# KiCad board led_mapper_850.kicad_pcb (continued)
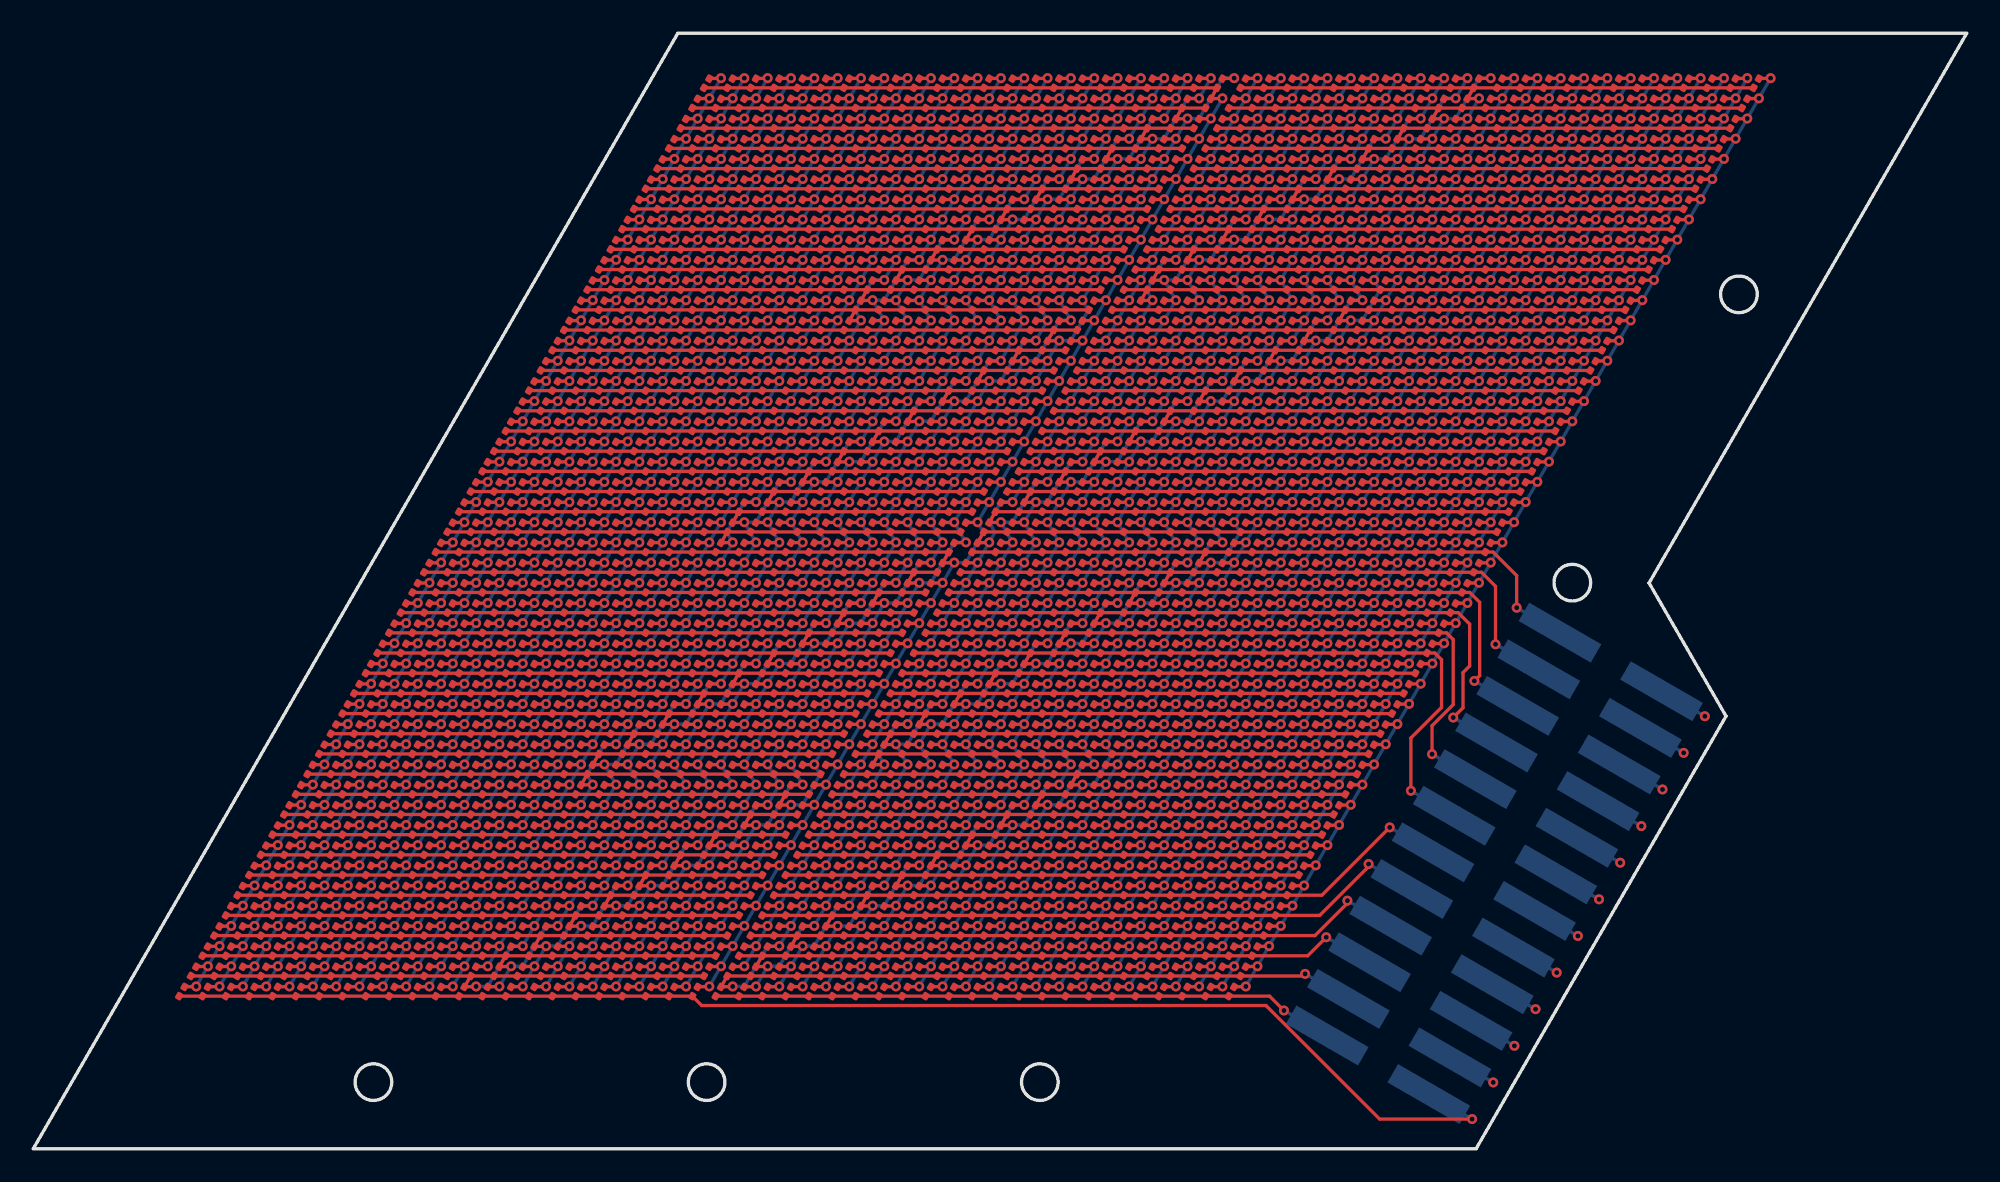
[diagram p0: board, top side]
## Placement (name value [footprint] x y rotation side) (continued)
D1958  LED  [LED_0201_0603Metric_XINGLIGHT]  74.71 19.14 60 top
D1959  LED  [LED_0201_0603Metric_XINGLIGHT]  73.31 19.14 60 top
D1960  LED  [LED_0201_0603Metric_XINGLIGHT]  71.91 19.14 60 top
D1961  LED  [LED_0201_0603Metric_XINGLIGHT]  70.51 19.14 60 top
D1962  LED  [LED_0201_0603Metric_XINGLIGHT]  69.11 19.14 60 top
D1963  LED  [LED_0201_0603Metric_XINGLIGHT]  67.71 19.14 60 top
D1964  LED  [LED_0201_0603Metric_XINGLIGHT]  66.31 19.14 60 top
D1965  LED  [LED_0201_0603Metric_XINGLIGHT]  64.91 19.14 60 top
D1966  LED  [LED_0201_0603Metric_XINGLIGHT]  63.51 19.14 60 top
D1967  LED  [LED_0201_0603Metric_XINGLIGHT]  62.11 19.14 60 top
D1968  LED  [LED_0201_0603Metric_XINGLIGHT]  60.71 19.14 60 top
D1969  LED  [LED_0201_0603Metric_XINGLIGHT]  59.31 19.14 60 top
D1970  LED  [LED_0201_0603Metric_XINGLIGHT]  57.91 19.14 60 top
D1971  LED  [LED_0201_0603Metric_XINGLIGHT]  56.51 19.14 60 top
D1972  LED  [LED_0201_0603Metric_XINGLIGHT]  55.11 19.14 60 top
D1973  LED  [LED_0201_0603Metric_XINGLIGHT]  53.71 19.14 60 top
D1974  LED  [LED_0201_0603Metric_XINGLIGHT]  52.31 19.14 60 top
D1975  LED  [LED_0201_0603Metric_XINGLIGHT]  50.91 19.14 60 top
D1976  LED  [LED_0201_0603Metric_XINGLIGHT]  49.51 19.14 60 top
D1977  LED  [LED_0201_0603Metric_XINGLIGHT]  48.11 19.14 60 top
D1978  LED  [LED_0201_0603Metric_XINGLIGHT]  46.71 19.14 60 top
D1979  LED  [LED_0201_0603Metric_XINGLIGHT]  45.31 19.14 60 top
D1980  LED  [LED_0201_0603Metric_XINGLIGHT]  43.91 19.14 60 top
D1981  LED  [LED_0201_0603Metric_XINGLIGHT]  42.51 19.14 60 top
D1982  LED  [LED_0201_0603Metric_XINGLIGHT]  41.11 19.14 60 top
D1983  LED  [LED_0201_0603Metric_XINGLIGHT]  39.71 19.14 60 top
D1984  LED  [LED_0201_0603Metric_XINGLIGHT]  38.31 19.14 60 top
D1985  LED  [LED_0201_0603Metric_XINGLIGHT]  36.91 19.14 60 top
D1986  LED  [LED_0201_0603Metric_XINGLIGHT]  35.51 19.14 60 top
D1987  LED  [LED_0201_0603Metric_XINGLIGHT]  34.11 19.14 60 top
D1988  LED  [LED_0201_0603Metric_XINGLIGHT]  32.71 19.14 60 top
D1989  LED  [LED_0201_0603Metric_XINGLIGHT]  31.31 19.14 60 top
D1990  LED  [LED_0201_0603Metric_XINGLIGHT]  29.91 19.14 60 top
D1991  LED  [LED_0201_0603Metric_XINGLIGHT]  28.51 19.14 60 top
D1992  LED  [LED_0201_0603Metric_XINGLIGHT]  27.11 19.14 60 top
D1993  LED  [LED_0201_0603Metric_XINGLIGHT]  25.71 19.14 60 top
D1994  LED  [LED_0201_0603Metric_XINGLIGHT]  24.31 19.14 60 top
D1995  LED  [LED_0201_0603Metric_XINGLIGHT]  22.91 19.14 60 top
D1996  LED  [LED_0201_0603Metric_XINGLIGHT]  21.51 19.14 60 top
D1997  LED  [LED_0201_0603Metric_XINGLIGHT]  20.11 19.14 60 top
D1998  LED  [LED_0201_0603Metric_XINGLIGHT]  18.71 19.14 60 top
D1999  LED  [LED_0201_0603Metric_XINGLIGHT]  17.31 19.14 60 top
D2000  LED  [LED_0201_0603Metric_XINGLIGHT]  15.91 19.14 60 top
D2001  LED  [LED_0201_0603Metric_XINGLIGHT]  14.51 19.14 60 top
D2002  LED  [LED_0201_0603Metric_XINGLIGHT]  78.21 20.35 60 top
D2003  LED  [LED_0201_0603Metric_XINGLIGHT]  76.81 20.35 60 top
D2004  LED  [LED_0201_0603Metric_XINGLIGHT]  75.41 20.35 60 top
D2005  LED  [LED_0201_0603Metric_XINGLIGHT]  74.01 20.35 60 top
D2006  LED  [LED_0201_0603Metric_XINGLIGHT]  72.61 20.35 60 top
D2007  LED  [LED_0201_0603Metric_XINGLIGHT]  71.21 20.35 60 top
D2008  LED  [LED_0201_0603Metric_XINGLIGHT]  69.81 20.35 60 top
D2009  LED  [LED_0201_0603Metric_XINGLIGHT]  68.41 20.35 60 top
D2010  LED  [LED_0201_0603Metric_XINGLIGHT]  67.01 20.35 60 top
D2011  LED  [LED_0201_0603Metric_XINGLIGHT]  65.61 20.35 60 top
D2012  LED  [LED_0201_0603Metric_XINGLIGHT]  64.21 20.35 60 top
D2013  LED  [LED_0201_0603Metric_XINGLIGHT]  62.81 20.35 60 top
D2014  LED  [LED_0201_0603Metric_XINGLIGHT]  61.41 20.35 60 top
D2015  LED  [LED_0201_0603Metric_XINGLIGHT]  60.01 20.35 60 top
D2016  LED  [LED_0201_0603Metric_XINGLIGHT]  58.61 20.35 60 top
D2017  LED  [LED_0201_0603Metric_XINGLIGHT]  57.21 20.35 60 top
D2018  LED  [LED_0201_0603Metric_XINGLIGHT]  55.81 20.35 60 top
D2019  LED  [LED_0201_0603Metric_XINGLIGHT]  54.41 20.35 60 top
D2020  LED  [LED_0201_0603Metric_XINGLIGHT]  53.01 20.35 60 top
D2021  LED  [LED_0201_0603Metric_XINGLIGHT]  51.61 20.35 60 top
D2022  LED  [LED_0201_0603Metric_XINGLIGHT]  50.21 20.35 60 top
D2023  LED  [LED_0201_0603Metric_XINGLIGHT]  48.81 20.35 60 top
D2024  LED  [LED_0201_0603Metric_XINGLIGHT]  47.41 20.35 60 top
D2025  LED  [LED_0201_0603Metric_XINGLIGHT]  46.01 20.35 60 top
D2026  LED  [LED_0201_0603Metric_XINGLIGHT]  44.61 20.35 60 top
D2027  LED  [LED_0201_0603Metric_XINGLIGHT]  43.21 20.35 60 top
D2028  LED  [LED_0201_0603Metric_XINGLIGHT]  41.81 20.35 60 top
D2029  LED  [LED_0201_0603Metric_XINGLIGHT]  40.41 20.35 60 top
D2030  LED  [LED_0201_0603Metric_XINGLIGHT]  39.01 20.35 60 top
D2031  LED  [LED_0201_0603Metric_XINGLIGHT]  37.61 20.35 60 top
D2032  LED  [LED_0201_0603Metric_XINGLIGHT]  36.21 20.35 60 top
D2033  LED  [LED_0201_0603Metric_XINGLIGHT]  34.81 20.35 60 top
D2034  LED  [LED_0201_0603Metric_XINGLIGHT]  33.41 20.35 60 top
D2035  LED  [LED_0201_0603Metric_XINGLIGHT]  32.01 20.35 60 top
D2036  LED  [LED_0201_0603Metric_XINGLIGHT]  30.61 20.35 60 top
D2037  LED  [LED_0201_0603Metric_XINGLIGHT]  29.21 20.35 60 top
D2038  LED  [LED_0201_0603Metric_XINGLIGHT]  27.81 20.35 60 top
D2039  LED  [LED_0201_0603Metric_XINGLIGHT]  26.41 20.35 60 top
D2040  LED  [LED_0201_0603Metric_XINGLIGHT]  25.01 20.35 60 top
D2041  LED  [LED_0201_0603Metric_XINGLIGHT]  23.61 20.35 60 top
D2042  LED  [LED_0201_0603Metric_XINGLIGHT]  22.21 20.35 60 top
D2043  LED  [LED_0201_0603Metric_XINGLIGHT]  20.81 20.35 60 top
D2044  LED  [LED_0201_0603Metric_XINGLIGHT]  19.41 20.35 60 top
D2045  LED  [LED_0201_0603Metric_XINGLIGHT]  18.01 20.35 60 top
D2046  LED  [LED_0201_0603Metric_XINGLIGHT]  16.61 20.35 60 top
D2047  LED  [LED_0201_0603Metric_XINGLIGHT]  15.21 20.35 60 top
D2048  LED  [LED_0201_0603Metric_XINGLIGHT]  78.91 21.56 60 top
D2049  LED  [LED_0201_0603Metric_XINGLIGHT]  77.51 21.56 60 top
D2050  LED  [LED_0201_0603Metric_XINGLIGHT]  76.11 21.56 60 top
D2051  LED  [LED_0201_0603Metric_XINGLIGHT]  74.71 21.56 60 top
D2052  LED  [LED_0201_0603Metric_XINGLIGHT]  73.31 21.56 60 top
D2053  LED  [LED_0201_0603Metric_XINGLIGHT]  71.91 21.56 60 top
D2054  LED  [LED_0201_0603Metric_XINGLIGHT]  70.51 21.56 60 top
D2055  LED  [LED_0201_0603Metric_XINGLIGHT]  69.11 21.56 60 top
D2056  LED  [LED_0201_0603Metric_XINGLIGHT]  67.71 21.56 60 top
D2057  LED  [LED_0201_0603Metric_XINGLIGHT]  66.31 21.56 60 top
D2058  LED  [LED_0201_0603Metric_XINGLIGHT]  64.91 21.56 60 top
D2059  LED  [LED_0201_0603Metric_XINGLIGHT]  63.51 21.56 60 top
D2060  LED  [LED_0201_0603Metric_XINGLIGHT]  62.11 21.56 60 top
D2061  LED  [LED_0201_0603Metric_XINGLIGHT]  60.71 21.56 60 top
D2062  LED  [LED_0201_0603Metric_XINGLIGHT]  59.31 21.56 60 top
D2063  LED  [LED_0201_0603Metric_XINGLIGHT]  57.91 21.56 60 top
D2064  LED  [LED_0201_0603Metric_XINGLIGHT]  56.51 21.56 60 top
D2065  LED  [LED_0201_0603Metric_XINGLIGHT]  55.11 21.56 60 top
D2066  LED  [LED_0201_0603Metric_XINGLIGHT]  53.71 21.56 60 top
D2067  LED  [LED_0201_0603Metric_XINGLIGHT]  52.31 21.56 60 top
D2068  LED  [LED_0201_0603Metric_XINGLIGHT]  50.91 21.56 60 top
D2069  LED  [LED_0201_0603Metric_XINGLIGHT]  49.51 21.56 60 top
D2070  LED  [LED_0201_0603Metric_XINGLIGHT]  48.11 21.56 60 top
D2071  LED  [LED_0201_0603Metric_XINGLIGHT]  46.71 21.56 60 top
D2072  LED  [LED_0201_0603Metric_XINGLIGHT]  45.31 21.56 60 top
D2073  LED  [LED_0201_0603Metric_XINGLIGHT]  43.91 21.56 60 top
D2074  LED  [LED_0201_0603Metric_XINGLIGHT]  42.51 21.56 60 top
D2075  LED  [LED_0201_0603Metric_XINGLIGHT]  41.11 21.56 60 top
D2076  LED  [LED_0201_0603Metric_XINGLIGHT]  39.71 21.56 60 top
D2077  LED  [LED_0201_0603Metric_XINGLIGHT]  38.31 21.56 60 top
D2078  LED  [LED_0201_0603Metric_XINGLIGHT]  36.91 21.56 60 top
D2079  LED  [LED_0201_0603Metric_XINGLIGHT]  35.51 21.56 60 top
D2080  LED  [LED_0201_0603Metric_XINGLIGHT]  34.11 21.56 60 top
D2081  LED  [LED_0201_0603Metric_XINGLIGHT]  32.71 21.56 60 top
D2082  LED  [LED_0201_0603Metric_XINGLIGHT]  31.31 21.56 60 top
D2083  LED  [LED_0201_0603Metric_XINGLIGHT]  29.91 21.56 60 top
D2084  LED  [LED_0201_0603Metric_XINGLIGHT]  28.51 21.56 60 top
D2085  LED  [LED_0201_0603Metric_XINGLIGHT]  27.11 21.56 60 top
D2086  LED  [LED_0201_0603Metric_XINGLIGHT]  25.71 21.56 60 top
D2087  LED  [LED_0201_0603Metric_XINGLIGHT]  24.31 21.56 60 top
D2088  LED  [LED_0201_0603Metric_XINGLIGHT]  22.91 21.56 60 top
D2089  LED  [LED_0201_0603Metric_XINGLIGHT]  21.51 21.56 60 top
D2090  LED  [LED_0201_0603Metric_XINGLIGHT]  20.11 21.56 60 top
D2091  LED  [LED_0201_0603Metric_XINGLIGHT]  18.71 21.56 60 top
D2092  LED  [LED_0201_0603Metric_XINGLIGHT]  17.31 21.56 60 top
D2093  LED  [LED_0201_0603Metric_XINGLIGHT]  15.91 21.56 60 top
D2094  LED  [LED_0201_0603Metric_XINGLIGHT]  79.61 22.78 60 top
D2095  LED  [LED_0201_0603Metric_XINGLIGHT]  78.21 22.78 60 top
D2096  LED  [LED_0201_0603Metric_XINGLIGHT]  76.81 22.78 60 top
D2097  LED  [LED_0201_0603Metric_XINGLIGHT]  75.41 22.78 60 top
D2098  LED  [LED_0201_0603Metric_XINGLIGHT]  74.01 22.78 60 top
D2099  LED  [LED_0201_0603Metric_XINGLIGHT]  72.61 22.78 60 top
D2100  LED  [LED_0201_0603Metric_XINGLIGHT]  71.21 22.78 60 top
D2101  LED  [LED_0201_0603Metric_XINGLIGHT]  69.81 22.78 60 top
D2102  LED  [LED_0201_0603Metric_XINGLIGHT]  68.41 22.78 60 top
D2103  LED  [LED_0201_0603Metric_XINGLIGHT]  67.01 22.78 60 top
D2104  LED  [LED_0201_0603Metric_XINGLIGHT]  65.61 22.78 60 top
D2105  LED  [LED_0201_0603Metric_XINGLIGHT]  64.21 22.78 60 top
D2106  LED  [LED_0201_0603Metric_XINGLIGHT]  62.81 22.78 60 top
D2107  LED  [LED_0201_0603Metric_XINGLIGHT]  61.41 22.78 60 top
D2108  LED  [LED_0201_0603Metric_XINGLIGHT]  60.01 22.78 60 top
D2109  LED  [LED_0201_0603Metric_XINGLIGHT]  58.61 22.78 60 top
D2110  LED  [LED_0201_0603Metric_XINGLIGHT]  57.21 22.78 60 top
D2111  LED  [LED_0201_0603Metric_XINGLIGHT]  55.81 22.78 60 top
D2112  LED  [LED_0201_0603Metric_XINGLIGHT]  54.41 22.78 60 top
D2113  LED  [LED_0201_0603Metric_XINGLIGHT]  53.01 22.78 60 top
D2114  LED  [LED_0201_0603Metric_XINGLIGHT]  51.61 22.78 60 top
D2115  LED  [LED_0201_0603Metric_XINGLIGHT]  50.21 22.78 60 top
D2116  LED  [LED_0201_0603Metric_XINGLIGHT]  48.81 22.78 60 top
J1  Conn_02x12_Top_Bottom  [PinSocket_2x12_P2.54mm_Vertical_SMD_custom]  87.7 17.14 330 bottom

## Library data of the parts
D1-D2116 = -: Description: Light emitting diode, rotated by 45°; LCSC Part #: C3646923; ki_fp_filters: LED* LED_SMD:* LED_THT:*
J1 = -: Description: Generic connector, double row, 02x12, top/bottom pin numbering scheme (row 1: 1...pins_per_row, row2: pins_per_row+1 ... num_pins), script generated (kicad-library-utils/schlib/autogen/connector/); LCSC Part #: C19268781; ki_fp_filters: Connector*:*_2x??_*

## Footprints (pads in the part's own frame, mm; a bottom-side part is the same pattern mirrored in y, then rotated)
LED_0201_0603Metric_XINGLIGHT
  rrect 0.318x0.36 smd: (-0.28,0) (0.28,0)
  rrect 0.46x0.4 smd: 1(-0.32,0) 2(0.32,0)
PinSocket_2x12_P2.54mm_Vertical_SMD_custom
  rect 5x1.27 smd: 1(-3.52,13.97) 2(-3.52,11.43) 3(-3.52,8.89) 4(-3.52,6.35) 5(-3.52,3.81) 6(-3.52,1.27) 7(-3.52,-1.27) 8(-3.52,-3.81) 9(-3.52,-6.35) 10(-3.52,-8.89) 11(-3.52,-11.43) 12(-3.52,-13.97) 13(3.52,13.97) 14(3.52,11.43) 15(3.52,8.89) 16(3.52,6.35) 17(3.52,3.81) 18(3.52,1.27) 19(3.52,-1.27) 20(3.52,-3.81) 21(3.52,-6.35) 22(3.52,-8.89) 23(3.52,-11.43) 24(3.52,-13.97)

## Nets
/P1: D1.2 D24.2 D47.2 D70.2 D93.2 D116.2 D139.2 D162.2 D185.2 D208.2 D231.2 D254.2 D277.2 D300.2 D323.2 D346.2 D369.2 D392.2 D415.2 D438.2 D461.2 D484.2 D507.2 D530.1 D531.1 D532.1 D533.1 D534.1 D535.1 D536.1 D537.1 D538.1 D539.1 D540.1 D541.1 D542.1 D543.1 D544.1 D545.1 D546.1 D547.1 D548.1 D549.1 D550.1 D551.1 D552.1 D575.2 D598.2 D621.2 D644.2 D667.2 D690.2 D713.2 D736.2 D759.2 D782.2 D805.2 D828.2 D851.2 D874.2 D897.2 D920.2 D943.2 D966.2 D989.2 D1012.2 D1035.2 D1058.2 D1059.2 D1082.2 D1105.2 D1128.2 D1151.2 D1174.2 D1197.2 D1220.2 D1243.2 D1266.2 D1289.2 D1312.2 D1335.2 D1358.2 D1381.2 D1404.2 D1427.2 D1450.2 D1473.2 D1496.2 D1519.2 D1542.2 D1565.2 D1588.1 D1589.1 D1590.1 D1591.1 D1592.1 D1593.1 D1594.1 D1595.1 D1596.1 D1597.1 D1598.1 D1599.1 D1600.1 D1601.1 D1602.1 D1603.1 D1604.1 D1605.1 D1606.1 D1607.1 D1608.1 D1609.1 D1610.1 D1633.2 D1656.2 D1679.2 D1702.2 D1725.2 D1748.2 D1771.2 D1794.2 D1817.2 D1840.2 D1863.2 D1886.2 D1909.2 D1932.2 D1955.2 D1978.2 D2001.2 D2024.2 D2047.2 D2070.2 D2093.2 D2116.2 J1.1
/P2: D2.2 D25.2 D48.2 D71.2 D94.2 D117.2 D140.2 D163.2 D186.2 D209.2 D232.2 D255.2 D278.2 D301.2 D324.2 D347.2 D370.2 D393.2 D416.2 D439.2 D462.2 D484.1 D485.1 D486.1 D487.1 D488.1 D489.1 D490.1 D491.1 D492.1 D493.1 D494.1 D495.1 D496.1 D497.1 D498.1 D499.1 D500.1 D501.1 D502.1 D503.1 D504.1 D505.1 D506.1 D508.2 D552.2 D574.2 D576.1 D577.1 D578.1 D579.1 D580.1 D581.1 D582.1 D583.1 D584.1 D585.1 D586.1 D587.1 D588.1 D589.1 D590.1 D591.1 D592.1 D593.1 D594.1 D595.1 D596.1 D597.1 D598.1 D620.2 D643.2 D666.2 D689.2 D712.2 D735.2 D758.2 D781.2 D804.2 D827.2 D850.2 D873.2 D896.2 D919.2 D942.2 D965.2 D988.2 D1011.2 D1034.2 D1057.2 D1060.2 D1083.2 D1106.2 D1129.2 D1152.2 D1175.2 D1198.2 D1221.2 D1244.2 D1267.2 D1290.2 D1313.2 D1336.2 D1359.2 D1382.2 D1405.2 D1428.2 D1451.2 D1474.2 D1497.2 D1520.2 D1542.1 D1543.1 D1544.1 D1545.1 D1546.1 D1547.1 D1548.1 D1549.1 D1550.1 D1551.1 D1552.1 D1553.1 D1554.1 D1555.1 D1556.1 D1557.1 D1558.1 D1559.1 D1560.1 D1561.1 D1562.1 D1563.1 D1564.1 D1566.2 D1610.2 D1632.2 D1634.1 D1635.1 D1636.1 D1637.1 D1638.1 D1639.1 D1640.1 D1641.1 D1642.1 D1643.1 D1644.1 D1645.1 D1646.1 D1647.1 D1648.1 D1649.1 D1650.1 D1651.1 D1652.1 D1653.1 D1654.1 D1655.1 D1656.1 D1678.2 D1701.2 D1724.2 D1747.2 D1770.2 D1793.2 D1816.2 D1839.2 D1862.2 D1885.2 D1908.2 D1931.2 D1954.2 D1977.2 D2000.2 D2023.2 D2046.2 D2069.2 D2092.2 D2115.2 J1.2
/P3: D3.2 D26.2 D49.2 D72.2 D95.2 D118.2 D141.2 D164.2 D187.2 D210.2 D233.2 D256.2 D279.2 D302.2 D325.2 D348.2 D371.2 D394.2 D417.2 D438.1 D439.1 D440.1 D441.1 D442.1 D443.1 D444.1 D445.1 D446.1 D447.1 D448.1 D449.1 D450.1 D451.1 D452.1 D453.1 D454.1 D455.1 D456.1 D457.1 D458.1 D459.1 D460.1 D463.2 D485.2 D509.2 D551.2 D573.2 D597.2 D619.2 D622.1 D623.1 D624.1 D625.1 D626.1 D627.1 D628.1 D629.1 D630.1 D631.1 D632.1 D633.1 D634.1 D635.1 D636.1 D637.1 D638.1 D639.1 D640.1 D641.1 D642.1 D643.1 D644.1 D665.2 D688.2 D711.2 D734.2 D757.2 D780.2 D803.2 D826.2 D849.2 D872.2 D895.2 D918.2 D941.2 D964.2 D987.2 D1010.2 D1033.2 D1056.2 D1061.2 D1084.2 D1107.2 D1130.2 D1153.2 D1176.2 D1199.2 D1222.2 D1245.2 D1268.2 D1291.2 D1314.2 D1337.2 D1360.2 D1383.2 D1406.2 D1429.2 D1452.2 D1475.2 D1496.1 D1497.1 D1498.1 D1499.1 D1500.1 D1501.1 D1502.1 D1503.1 D1504.1 D1505.1 D1506.1 D1507.1 D1508.1 D1509.1 D1510.1 D1511.1 D1512.1 D1513.1 D1514.1 D1515.1 D1516.1 D1517.1 D1518.1 D1521.2 D1543.2 D1567.2 D1609.2 D1631.2 D1655.2 D1677.2 D1680.1 D1681.1 D1682.1 D1683.1 D1684.1 D1685.1 D1686.1 D1687.1 D1688.1 D1689.1 D1690.1 D1691.1 D1692.1 D1693.1 D1694.1 D1695.1 D1696.1 D1697.1 D1698.1 D1699.1 D1700.1 D1701.1 D1702.1 D1723.2 D1746.2 D1769.2 D1792.2 D1815.2 D1838.2 D1861.2 D1884.2 D1907.2 D1930.2 D1953.2 D1976.2 D1999.2 D2022.2 D2045.2 D2068.2 D2091.2 D2114.2 J1.3
/P4: D4.2 D27.2 D50.2 D73.2 D96.2 D119.2 D142.2 D165.2 D188.2 D211.2 D234.2 D257.2 D280.2 D303.2 D326.2 D349.2 D372.2 D392.1 D393.1 D394.1 D395.1 D396.1 D397.1 D398.1 D399.1 D400.1 D401.1 D402.1 D403.1 D404.1 D405.1 D406.1 D407.1 D408.1 D409.1 D410.1 D411.1 D412.1 D413.1 D414.1 D418.2 D440.2 D464.2 D486.2 D510.2 D550.2 D572.2 D596.2 D618.2 D642.2 D664.2 D668.1 D669.1 D670.1 D671.1 D672.1 D673.1 D674.1 D675.1 D676.1 D677.1 D678.1 D679.1 D680.1 D681.1 D682.1 D683.1 D684.1 D685.1 D686.1 D687.1 D688.1 D689.1 D690.1 D710.2 D733.2 D756.2 D779.2 D802.2 D825.2 D848.2 D871.2 D894.2 D917.2 D940.2 D963.2 D986.2 D1009.2 D1032.2 D1055.2 D1062.2 D1085.2 D1108.2 D1131.2 D1154.2 D1177.2 D1200.2 D1223.2 D1246.2 D1269.2 D1292.2 D1315.2 D1338.2 D1361.2 D1384.2 D1407.2 D1430.2 D1450.1 D1451.1 D1452.1 D1453.1 D1454.1 D1455.1 D1456.1 D1457.1 D1458.1 D1459.1 D1460.1 D1461.1 D1462.1 D1463.1 D1464.1 D1465.1 D1466.1 D1467.1 D1468.1 D1469.1 D1470.1 D1471.1 D1472.1 D1476.2 D1498.2 D1522.2 D1544.2 D1568.2 D1608.2 D1630.2 D1654.2 D1676.2 D1700.2 D1722.2 D1726.1 D1727.1 D1728.1 D1729.1 D1730.1 D1731.1 D1732.1 D1733.1 D1734.1 D1735.1 D1736.1 D1737.1 D1738.1 D1739.1 D1740.1 D1741.1 D1742.1 D1743.1 D1744.1 D1745.1 D1746.1 D1747.1 D1748.1 D1768.2 D1791.2 D1814.2 D1837.2 D1860.2 D1883.2 D1906.2 D1929.2 D1952.2 D1975.2 D1998.2 D2021.2 D2044.2 D2067.2 D2090.2 D2113.2 J1.4
/P5: D5.2 D28.2 D51.2 D74.2 D97.2 D120.2 D143.2 D166.2 D189.2 D212.2 D235.2 D258.2 D281.2 D304.2 D327.2 D346.1 D347.1 D348.1 D349.1 D350.1 D351.1 D352.1 D353.1 D354.1 D355.1 D356.1 D357.1 D358.1 D359.1 D360.1 D361.1 D362.1 D363.1 D364.1 D365.1 D366.1 D367.1 D368.1 D373.2 D395.2 D419.2 D441.2 D465.2 D487.2 D511.2 D549.2 D571.2 D595.2 D617.2 D641.2 D663.2 D687.2 D709.2 D714.1 D715.1 D716.1 D717.1 D718.1 D719.1 D720.1 D721.1 D722.1 D723.1 D724.1 D725.1 D726.1 D727.1 D728.1 D729.1 D730.1 D731.1 D732.1 D733.1 D734.1 D735.1 D736.1 D755.2 D778.2 D801.2 D824.2 D847.2 D870.2 D893.2 D916.2 D939.2 D962.2 D985.2 D1008.2 D1031.2 D1054.2 D1063.2 D1086.2 D1109.2 D1132.2 D1155.2 D1178.2 D1201.2 D1224.2 D1247.2 D1270.2 D1293.2 D1316.2 D1339.2 D1362.2 D1385.2 D1404.1 D1405.1 D1406.1 D1407.1 D1408.1 D1409.1 D1410.1 D1411.1 D1412.1 D1413.1 D1414.1 D1415.1 D1416.1 D1417.1 D1418.1 D1419.1 D1420.1 D1421.1 D1422.1 D1423.1 D1424.1 D1425.1 D1426.1 D1431.2 D1453.2 D1477.2 D1499.2 D1523.2 D1545.2 D1569.2 D1607.2 D1629.2 D1653.2 D1675.2 D1699.2 D1721.2 D1745.2 D1767.2 D1772.1 D1773.1 D1774.1 D1775.1 D1776.1 D1777.1 D1778.1 D1779.1 D1780.1 D1781.1 D1782.1 D1783.1 D1784.1 D1785.1 D1786.1 D1787.1 D1788.1 D1789.1 D1790.1 D1791.1 D1792.1 D1793.1 D1794.1 D1813.2 D1836.2 D1859.2 D1882.2 D1905.2 D1928.2 D1951.2 D1974.2 D1997.2 D2020.2 D2043.2 D2066.2 D2089.2 D2112.2 J1.5
/P6: D6.2 D29.2 D52.2 D75.2 D98.2 D121.2 D144.2 D167.2 D190.2 D213.2 D236.2 D259.2 D282.2 D300.1 D301.1 D302.1 D303.1 D304.1 D305.1 D306.1 D307.1 D308.1 D309.1 D310.1 D311.1 D312.1 D313.1 D314.1 D315.1 D316.1 D317.1 D318.1 D319.1 D320.1 D321.1 D322.1 D328.2 D350.2 D374.2 D396.2 D420.2 D442.2 D466.2 D488.2 D512.2 D548.2 D570.2 D594.2 D616.2 D640.2 D662.2 D686.2 D708.2 D732.2 D754.2 D760.1 D761.1 D762.1 D763.1 D764.1 D765.1 D766.1 D767.1 D768.1 D769.1 D770.1 D771.1 D772.1 D773.1 D774.1 D775.1 D776.1 D777.1 D778.1 D779.1 D780.1 D781.1 D782.1 D800.2 D823.2 D846.2 D869.2 D892.2 D915.2 D938.2 D961.2 D984.2 D1007.2 D1030.2 D1053.2 D1064.2 D1087.2 D1110.2 D1133.2 D1156.2 D1179.2 D1202.2 D1225.2 D1248.2 D1271.2 D1294.2 D1317.2 D1340.2 D1358.1 D1359.1 D1360.1 D1361.1 D1362.1 D1363.1 D1364.1 D1365.1 D1366.1 D1367.1 D1368.1 D1369.1 D1370.1 D1371.1 D1372.1 D1373.1 D1374.1 D1375.1 D1376.1 D1377.1 D1378.1 D1379.1 D1380.1 D1386.2 D1408.2 D1432.2 D1454.2 D1478.2 D1500.2 D1524.2 D1546.2 D1570.2 D1606.2 D1628.2 D1652.2 D1674.2 D1698.2 D1720.2 D1744.2 D1766.2 D1790.2 D1812.2 D1818.1 D1819.1 D1820.1 D1821.1 D1822.1 D1823.1 D1824.1 D1825.1 D1826.1 D1827.1 D1828.1 D1829.1 D1830.1 D1831.1 D1832.1 D1833.1 D1834.1 D1835.1 D1836.1 D1837.1 D1838.1 D1839.1 D1840.1 D1858.2 D1881.2 D1904.2 D1927.2 D1950.2 D1973.2 D1996.2 D2019.2 D2042.2 D2065.2 D2088.2 D2111.2 J1.6
/P7: D7.2 D30.2 D53.2 D76.2 D99.2 D122.2 D145.2 D168.2 D191.2 D214.2 D237.2 D254.1 D255.1 D256.1 D257.1 D258.1 D259.1 D260.1 D261.1 D262.1 D263.1 D264.1 D265.1 D266.1 D267.1 D268.1 D269.1 D270.1 D271.1 D272.1 D273.1 D274.1 D275.1 D276.1 D283.2 D305.2 D329.2 D351.2 D375.2 D397.2 D421.2 D443.2 D467.2 D489.2 D513.2 D547.2 D569.2 D593.2 D615.2 D639.2 D661.2 D685.2 D707.2 D731.2 D753.2 D777.2 D799.2 D806.1 D807.1 D808.1 D809.1 D810.1 D811.1 D812.1 D813.1 D814.1 D815.1 D816.1 D817.1 D818.1 D819.1 D820.1 D821.1 D822.1 D823.1 D824.1 D825.1 D826.1 D827.1 D828.1 D845.2 D868.2 D891.2 D914.2 D937.2 D960.2 D983.2 D1006.2 D1029.2 D1052.2 D1065.2 D1088.2 D1111.2 D1134.2 D1157.2 D1180.2 D1203.2 D1226.2 D1249.2 D1272.2 D1295.2 D1312.1 D1313.1 D1314.1 D1315.1 D1316.1 D1317.1 D1318.1 D1319.1 D1320.1 D1321.1 D1322.1 D1323.1 D1324.1 D1325.1 D1326.1 D1327.1 D1328.1 D1329.1 D1330.1 D1331.1 D1332.1 D1333.1 D1334.1 D1341.2 D1363.2 D1387.2 D1409.2 D1433.2 D1455.2 D1479.2 D1501.2 D1525.2 D1547.2 D1571.2 D1605.2 D1627.2 D1651.2 D1673.2 D1697.2 D1719.2 D1743.2 D1765.2 D1789.2 D1811.2 D1835.2 D1857.2 D1864.1 D1865.1 D1866.1 D1867.1 D1868.1 D1869.1 D1870.1 D1871.1 D1872.1 D1873.1 D1874.1 D1875.1 D1876.1 D1877.1 D1878.1 D1879.1 D1880.1 D1881.1 D1882.1 D1883.1 D1884.1 D1885.1 D1886.1 D1903.2 D1926.2 D1949.2 D1972.2 D1995.2 D2018.2 D2041.2 D2064.2 D2087.2 D2110.2 J1.7
/P8: D8.2 D31.2 D54.2 D77.2 D100.2 D123.2 D146.2 D169.2 D192.2 D208.1 D209.1 D210.1 D211.1 D212.1 D213.1 D214.1 D215.1 D216.1 D217.1 D218.1 D219.1 D220.1 D221.1 D222.1 D223.1 D224.1 D225.1 D226.1 D227.1 D228.1 D229.1 D230.1 D238.2 D260.2 D284.2 D306.2 D330.2 D352.2 D376.2 D398.2 D422.2 D444.2 D468.2 D490.2 D514.2 D546.2 D568.2 D592.2 D614.2 D638.2 D660.2 D684.2 D706.2 D730.2 D752.2 D776.2 D798.2 D822.2 D844.2 D852.1 D853.1 D854.1 D855.1 D856.1 D857.1 D858.1 D859.1 D860.1 D861.1 D862.1 D863.1 D864.1 D865.1 D866.1 D867.1 D868.1 D869.1 D870.1 D871.1 D872.1 D873.1 D874.1 D890.2 D913.2 D936.2 D959.2 D982.2 D1005.2 D1028.2 D1051.2 D1066.2 D1089.2 D1112.2 D1135.2 D1158.2 D1181.2 D1204.2 D1227.2 D1250.2 D1266.1 D1267.1 D1268.1 D1269.1 D1270.1 D1271.1 D1272.1 D1273.1 D1274.1 D1275.1 D1276.1 D1277.1 D1278.1 D1279.1 D1280.1 D1281.1 D1282.1 D1283.1 D1284.1 D1285.1 D1286.1 D1287.1 D1288.1 D1296.2 D1318.2 D1342.2 D1364.2 D1388.2 D1410.2 D1434.2 D1456.2 D1480.2 D1502.2 D1526.2 D1548.2 D1572.2 D1604.2 D1626.2 D1650.2 D1672.2 D1696.2 D1718.2 D1742.2 D1764.2 D1788.2 D1810.2 D1834.2 D1856.2 D1880.2 D1902.2 D1910.1 D1911.1 D1912.1 D1913.1 D1914.1 D1915.1 D1916.1 D1917.1 D1918.1 D1919.1 D1920.1 D1921.1 D1922.1 D1923.1 D1924.1 D1925.1 D1926.1 D1927.1 D1928.1 D1929.1 D1930.1 D1931.1 D1932.1 D1948.2 D1971.2 D1994.2 D2017.2 D2040.2 D2063.2 D2086.2 D2109.2 J1.8
/P9: D9.2 D32.2 D55.2 D78.2 D101.2 D124.2 D147.2 D162.1 D163.1 D164.1 D165.1 D166.1 D167.1 D168.1 D169.1 D170.1 D171.1 D172.1 D173.1 D174.1 D175.1 D176.1 D177.1 D178.1 D179.1 D180.1 D181.1 D182.1 D183.1 D184.1 D193.2 D215.2 D239.2 D261.2 D285.2 D307.2 D331.2 D353.2 D377.2 D399.2 D423.2 D445.2 D469.2 D491.2 D515.2 D545.2 D567.2 D591.2 D613.2 D637.2 D659.2 D683.2 D705.2 D729.2 D751.2 D775.2 D797.2 D821.2 D843.2 D867.2 D889.2 D898.1 D899.1 D900.1 D901.1 D902.1 D903.1 D904.1 D905.1 D906.1 D907.1 D908.1 D909.1 D910.1 D911.1 D912.1 D913.1 D914.1 D915.1 D916.1 D917.1 D918.1 D919.1 D920.1 D935.2 D958.2 D981.2 D1004.2 D1027.2 D1050.2 D1067.2 D1090.2 D1113.2 D1136.2 D1159.2 D1182.2 D1205.2 D1220.1 D1221.1 D1222.1 D1223.1 D1224.1 D1225.1 D1226.1 D1227.1 D1228.1 D1229.1 D1230.1 D1231.1 D1232.1 D1233.1 D1234.1 D1235.1 D1236.1 D1237.1 D1238.1 D1239.1 D1240.1 D1241.1 D1242.1 D1251.2 D1273.2 D1297.2 D1319.2 D1343.2 D1365.2 D1389.2 D1411.2 D1435.2 D1457.2 D1481.2 D1503.2 D1527.2 D1549.2 D1573.2 D1603.2 D1625.2 D1649.2 D1671.2 D1695.2 D1717.2 D1741.2 D1763.2 D1787.2 D1809.2 D1833.2 D1855.2 D1879.2 D1901.2 D1925.2 D1947.2 D1956.1 D1957.1 D1958.1 D1959.1 D1960.1 D1961.1 D1962.1 D1963.1 D1964.1 D1965.1 D1966.1 D1967.1 D1968.1 D1969.1 D1970.1 D1971.1 D1972.1 D1973.1 D1974.1 D1975.1 D1976.1 D1977.1 D1978.1 D1993.2 D2016.2 D2039.2 D2062.2 D2085.2 D2108.2 J1.9
/P10: D10.2 D33.2 D56.2 D79.2 D102.2 D116.1 D117.1 D118.1 D119.1 D120.1 D121.1 D122.1 D123.1 D124.1 D125.1 D126.1 D127.1 D128.1 D129.1 D130.1 D131.1 D132.1 D133.1 D134.1 D135.1 D136.1 D137.1 D138.1 D148.2 D170.2 D194.2 D216.2 D240.2 D262.2 D286.2 D308.2 D332.2 D354.2 D378.2 D400.2 D424.2 D446.2 D470.2 D492.2 D516.2 D544.2 D566.2 D590.2 D612.2 D636.2 D658.2 D682.2 D704.2 D728.2 D750.2 D774.2 D796.2 D820.2 D842.2 D866.2 D888.2 D912.2 D934.2 D944.1 D945.1 D946.1 D947.1 D948.1 D949.1 D950.1 D951.1 D952.1 D953.1 D954.1 D955.1 D956.1 D957.1 D958.1 D959.1 D960.1 D961.1 D962.1 D963.1 D964.1 D965.1 D966.1 D980.2 D1003.2 D1026.2 D1049.2 D1068.2 D1091.2 D1114.2 D1137.2 D1160.2 D1174.1 D1175.1 D1176.1 D1177.1 D1178.1 D1179.1 D1180.1 D1181.1 D1182.1 D1183.1 D1184.1 D1185.1 D1186.1 D1187.1 D1188.1 D1189.1 D1190.1 D1191.1 D1192.1 D1193.1 D1194.1 D1195.1 D1196.1 D1206.2 D1228.2 D1252.2 D1274.2 D1298.2 D1320.2 D1344.2 D1366.2 D1390.2 D1412.2 D1436.2 D1458.2 D1482.2 D1504.2 D1528.2 D1550.2 D1574.2 D1602.2 D1624.2 D1648.2 D1670.2 D1694.2 D1716.2 D1740.2 D1762.2 D1786.2 D1808.2 D1832.2 D1854.2 D1878.2 D1900.2 D1924.2 D1946.2 D1970.2 D1992.2 D2002.1 D2003.1 D2004.1 D2005.1 D2006.1 D2007.1 D2008.1 D2009.1 D2010.1 D2011.1 D2012.1 D2013.1 D2014.1 D2015.1 D2016.1 D2017.1 D2018.1 D2019.1 D2020.1 D2021.1 D2022.1 D2023.1 D2024.1 D2038.2 D2061.2 D2084.2 D2107.2 J1.10
